# Altium PCB DIOT_SMA16.PcbDoc (part 3 of 6)
Units mm, origin at the board's own origin, x right, y up, seen from the top; angles counter-clockwise.
Board outline 222.37 x 100 mm, 6 copper layers (TopLayer, MidLayer1, MidLayer2, Layer 1, Layer 2, Bottom Layer), stack 1.556 mm thick; 440 components, 301 nets, 1807 pads, 862 vias.
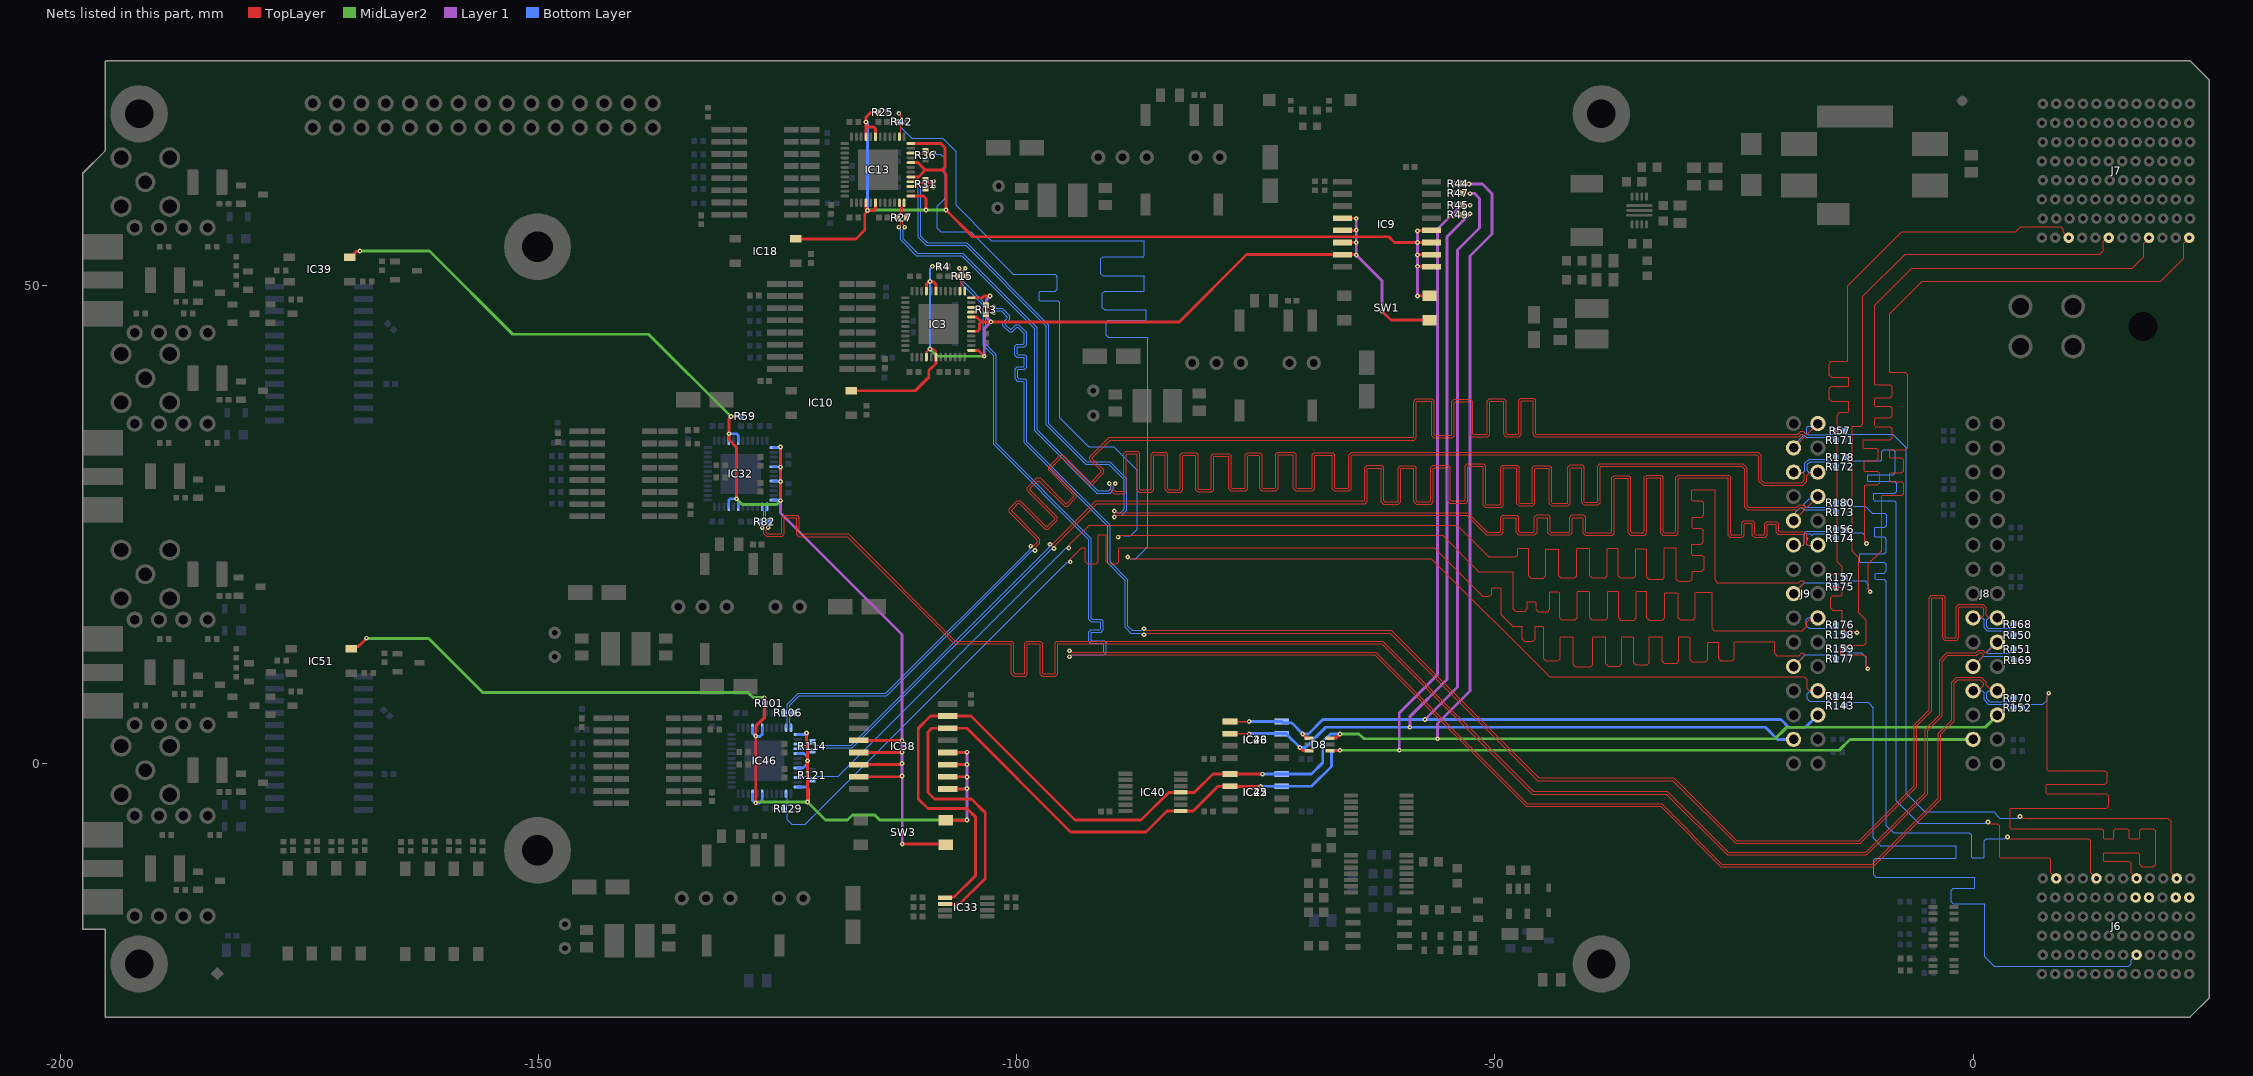
[diagram p7: the nets of this part, all layers, seen from the top]

## Via types
v1: diameter 0.5, hole 0.2, TopLayer to Bottom Layer, tented both sides, 762 vias
v2: diameter 0.8, hole 0.3, TopLayer to Bottom Layer, tented both sides, 100 vias

## Nets (pads, with @x,y where several pads share a name; then routed paths per layer and width w, separated by ;. In a path a pad name is that pad's centre, name@x,y a point inside that pad or via, vN(x,y) a via of type N, cw(c..) or ccw(c..) an arc to the next point about the centre after c; other vN are vias at no path point) (continued)
BP_IO.LVDS_P7: J6.E6 R152.1 | length 81.4
  TopLayer w0.12: v1(7.909,7.366) 7.909,7.28 7.735,7.106 7.735,-0.659 7.805,-0.729 13.788,-0.729 14.014,-0.955 14.014,-1.943 13.788,-2.168 7.715,-2.168 7.645,-2.238 7.645,-3.07 7.715,-3.14 13.944,-3.14 14.17,-3.365 14.17,-4.459 13.944,-4.685 3.941,-4.685 3.871,-4.755 3.871,-6.721 3.941,-6.791 13.453,-6.791 13.678,-7.017 13.678,-7.799 13.748,-7.869 14.636,-7.869 14.706,-7.799 14.706,-7.034 14.931,-6.809 16.126,-6.809 16.352,-7.034 16.352,-7.799 16.422,-7.869 17.344,-7.869 17.415,-7.799 17.415,-7.026 17.64,-6.8 18.852,-6.8 19.078,-7.026 19.078,-10.539 18.852,-10.765 17.661,-10.765 17.435,-10.539 17.435,-9.528 17.207,-9.3 13.715,-9.3 13.645,-9.37 13.645,-10.13 13.715,-10.201 16.303,-10.201 16.529,-10.426 16.529,-11.433 J6.E6@17.096,-12
  Bottom Layer w0.12: R152.1@5.165,5.842 5.395,6.072 5.395,6.147 5.465,6.217 7.302,6.217 7.732,6.647 7.732,7.106 7.909,7.283 v1(7.909,7.366)
BP_IO.LVDS_P8: J6.B6 R57.1 | length 78.6
  TopLayer w0.12: v1(4.916,-5.518) 4.999,-5.518 5.177,-5.696 20.337,-5.696 20.729,-6.087 20.729,-11.433 J6.B6@21.296,-12
  Bottom Layer w0.12: R57.1@-13.433,34.8 -13.203,34.57 -13.203,34.503 -13.133,34.432 -8.394,34.432 -7.01,33.049 -7.01,-3.09 -5.057,-5.043 2.144,-5.043 2.796,-5.696 4.656,-5.696 4.834,-5.518 v1(4.916,-5.518)
BP_IO.LVDS_P9: J6.K6 R178.1 | length 76
  TopLayer w0.12: v1(1.554,-6.109) 1.637,-6.109 1.815,-6.286 2.548,-6.286 2.773,-6.512 2.773,-9.798 2.843,-9.868 7.898,-9.868 8.129,-10.099 8.129,-11.433 J6.K6@8.696,-12
  Bottom Layer w0.12: R178.1@-13.433,32.05 -13.203,31.82 -13.203,31.753 -13.133,31.682 -9.637,31.682 -9.567,31.753 -9.567,32.593 -9.341,32.818 -8.34,32.818 -8.114,32.593 -8.114,30.452 -8.34,30.226 -10.942,30.226 -11.012,30.156 -11.012,29.576 -10.942,29.506 -8.188,29.506 -7.962,29.28 -7.962,28.502 -8.188,28.276 -10.325,28.276 -10.395,28.206 -10.395,27.569 -10.325,27.499 -8.263,27.499 -8.038,27.273 -8.038,-3.862 -5.668,-6.232 1.328,-6.232 1.452,-6.109 v1(1.554,-6.109)
BP_IO.LVDS_P10: J6.H6 R180.1 | length 77.2
  TopLayer w0.12: v1(3.598,-7.663) 3.68,-7.663 3.858,-7.841 12.103,-7.841 12.329,-8.066 12.329,-11.433 J6.H6@12.896,-12
  Bottom Layer w0.12: R180.1@-13.433,27.3 -13.203,27.07 -13.203,27.003 -13.133,26.932 -11.278,26.932 -10.546,26.2 -9.26,26.2 -9.034,25.974 -9.034,24.92 -9.26,24.695 -10.229,24.695 -10.299,24.624 -10.299,23.78 -10.229,23.709 -9.281,23.709 -9.056,23.484 -9.056,22.155 -9.281,21.93 -11.779,21.93 -11.85,21.859 -11.85,21.135 -11.779,21.065 -9.311,21.065 -9.085,20.839 -9.085,20.153 -9.311,19.927 -10.149,19.927 -10.219,19.857 -10.219,19.338 -10.149,19.268 -9.311,19.268 -9.085,19.042 -9.085,-6.481 -8.316,-7.25 -0.384,-7.25 -0.159,-7.476 -0.159,-9.786 -0.088,-9.857 1.094,-9.857 1.164,-9.786 1.164,-8.07 1.39,-7.844 3.333,-7.844 3.515,-7.663 v1(3.598,-7.663)
BP_IO.LVDS_P11: J7.D1 R156.1 | length 77.6
  TopLayer w0.12: v1(-11.139,23.012) -11.139,23.094 -11.316,23.272 -11.316,29.093 -11.246,29.163 -10.004,29.163 -9.779,29.389 -9.779,30.372 -10.004,30.598 -11.33,30.598 -11.4,30.668 -11.4,31.607 -11.33,31.677 -10.124,31.677 -9.899,31.903 -9.899,32.772 -10.124,32.997 -11.43,32.997 -11.5,33.068 -11.5,33.789 -11.43,33.86 -8.661,33.86 -8.435,34.085 -8.435,35.027 -8.661,35.252 -10.227,35.252 -10.297,35.323 -10.297,36.078 -10.227,36.148 -8.661,36.148 -8.435,36.374 -8.435,37.139 -8.661,37.365 -10.202,37.365 -10.273,37.435 -10.273,38.167 -10.202,38.238 -8.661,38.238 -8.435,38.463 -8.435,39.374 -8.661,39.599 -10.215,39.599 -10.285,39.67 -10.285,47.947 -6.43,51.803 16.638,51.803 17.829,52.993 17.829,54.436 18.393,55 J7.D1@18.396,55
  Bottom Layer w0.12: R156.1@-13.433,24.5 -13.203,24.27 -13.203,24.228 -13.133,24.157 -11.611,24.157 -11.325,23.871 -11.325,23.272 -11.139,23.086 v1(-11.139,23.012)
BP_IO.LVDS_P12: J7.A1 R157.1 | length 78.4
  TopLayer w0.12: v1(-10.759,17.975) -10.759,18.058 -10.936,18.235 -10.936,20.897 -9.563,22.271 -9.563,27.97 -9.492,28.04 -7.463,28.04 -7.238,28.266 -7.238,29.26 -7.463,29.485 -8.63,29.485 -8.7,29.556 -8.7,30.355 -8.63,30.425 -7.457,30.425 -7.231,30.651 -7.231,31.746 -7.457,31.971 -8.636,31.971 -8.706,32.041 -8.706,32.752 -8.636,32.822 -7.076,32.822 -6.85,33.048 -6.85,40.682 -7.076,40.907 -8.65,40.907 -8.72,40.978 -8.72,47.046 -5.334,50.432 19.623,50.432 22.029,52.838 22.029,54.432 J7.A1@22.596,55
  Bottom Layer w0.12: R157.1@-13.433,19.5 -13.203,19.27 -13.203,19.203 -13.133,19.132 -11.3,19.132 -10.936,18.768 -10.936,18.235 -10.759,18.058 v1(-10.759,17.975)
BP_IO.LVDS_P13: J7.J1 R158.1 | length 78.2
  TopLayer w0.12: -13.702,15.927 -13.81,16.035 -14.652,16.035 -14.878,16.261 -14.878,17.32 -14.652,17.546 -13.772,17.546 -13.702,17.616 -13.702,18.396 -13.772,18.467 -14.739,18.467 -14.965,18.692 -14.965,19.652 -14.739,19.878 -13.772,19.878 -13.702,19.948 -13.702,20.608 -14.228,21.134 -14.228,36.455 -13.919,36.765 -13.07,36.765 -13,36.835 -13,37.83 -13.07,37.9 -14.834,37.9 -15.06,38.126 -15.06,39.239 -14.834,39.465 -13.07,39.465 -13,39.535 -13,40.33 -13.07,40.4 -14.818,40.4 -15.044,40.626 -15.044,41.831 -14.818,42.057 -13.183,42.057 -13.113,42.127 -13.113,49.987 -7.475,55.625 4.451,55.625 4.988,56.163 9.152,56.163 9.429,55.886 9.429,55.567 J7.J1@9.996,55 ; -13.702,15.927 -13.702,14.283 -13.28,13.861 -12.41,13.861 -12.233,13.684 v1(-12.15,13.684)
  Bottom Layer w0.12: R158.1@-13.433,13.5 -13.203,13.73 -13.203,13.797 -13.133,13.867 -12.963,13.867 -12.957,13.861 -12.41,13.861 -12.233,13.684 v1(-12.15,13.684)
BP_IO.LVDS_P14: J7.G1 R159.1 | length 78.3
  TopLayer w0.12: v1(-11.007,9.925) -11.007,10.008 -11.184,10.185 -11.184,11.153 -11.41,11.378 -13.767,11.378 -13.837,11.449 -13.837,12.328 -13.767,12.398 -11.41,12.398 -11.184,12.624 -11.184,14.974 -11.972,15.762 -11.972,21.539 -12.66,22.227 -12.66,35.23 -12.59,35.3 -11.761,35.3 -11.535,35.526 -11.535,48.865 -7.115,53.285 13.267,53.285 13.629,53.646 13.629,54.604 14.025,55 J7.G1@14.196,55
  Bottom Layer w0.12: R159.1@-13.433,12 -13.203,11.77 -13.203,11.678 -13.133,11.608 -11.68,11.608 -11.184,11.112 -11.184,10.185 -11.007,10.008 v1(-11.007,9.925)
BP_IO.LVDS_P15: J6.E2 R143.1 | length 79.2
  Bottom Layer w0.12: R143.1@-13.433,6.05 -13.203,6.28 -13.203,6.347 -13.133,6.417 -10.979,6.417 -10.431,5.869 -10.431,-7.769 -9.635,-8.565 -1.835,-8.565 -1.765,-8.635 -1.765,-9.83 -1.835,-9.9 -10.174,-9.9 -10.4,-10.126 -10.4,-11.639 -10.174,-11.865 0.13,-11.865 0.2,-11.935 0.2,-12.965 0.13,-13.035 -2.074,-13.035 -2.3,-13.261 -2.3,-14.439 -2.074,-14.665 1.167,-14.665 1.238,-14.735 1.238,-16.12 1.235,-16.123 1.235,-20.21 2.195,-21.17 16.284,-21.17 16.529,-20.925 16.529,-20.568 J6.E2@17.096,-20
BP_MGT_Rx_N: J6.E5
BP_MGT_Rx_P: J6.D5
BP_MGT_Tx_N: J6.B5
BP_MGT_Tx_P: J6.A5
DIR_CTRL1: IC32.1 IC32.5 IC32.8 IC32.12 IC32.19 IC32.21 IC32.40 IC32.42 IC38.4 IC38.5 IC38.6 IC38.7 IC39.3 R59.1 SW3.1 | length 139.9
  TopLayer w0.3: IC39.3@-169.761,52.945 -169.561,52.945 -169.311,53.195 -169.311,53.324 -169.063,53.573 -168.727,53.573 v1(-168.7,53.6) ; v1(-129.9,36.3) -130.1,36.1 v1(-130.1,34.5) -130.1,33.89 -129.3,33.09 v1(-129.3,27.7) ; v1(-124.7,27.5) v1(-124.7,29.5) v1(-124.7,31) v1(-124.7,33.1) ; IC38.7@-116.523,-1.375 -112.129,-1.375 -112.054,-1.3 v1(-112,-1.3) ; IC38.6@-116.523,-0.105 -112.159,-0.105 -112.054,0 v1(-112,0) ; IC38.5@-116.523,1.165 -112.035,1.165 v1(-112,1.2) ; IC38.4@-116.523,2.435 -112.035,2.435 v1(-112,2.4) ; v1(-111.982,-8.418) -107.475,-8.418 SW3.1@-107.423,-8.47
  MidLayer2 w0.3: v1(-168.7,53.6) -161.4,53.6 -152.7,44.9 -138.5,44.9 v1(-129.9,36.3) ; v1(-129.3,27.7) -128.7,27.1 -125.1,27.1 v1(-124.7,27.5)
  Layer 1 w0.3: v1(-124.7,27.5) -124.7,26.2 -112,13.5 v1(-112,2.4) v1(-112,1.2) v1(-112,0) v1(-112,-1.3) -111.982,-1.318 v1(-111.982,-8.418)
  Bottom Layer w0.3: IC32.21@-130.123,26.85 -130.123,27.524 -129.947,27.7 v1(-129.3,27.7) -129.3,27.646 -129.123,27.469 IC32.19@-129.123,26.85 ; IC32.40@-130.123,33.75 -130.123,34.477 v1(-130.1,34.5) -129.299,34.5 -129.123,34.324 IC32.42@-129.123,33.75 ; v1(-129.9,36.3) R59.1@-128.843,36.3 ; IC32.12@-125.423,27.55 -124.804,27.55 -124.754,27.5 v1(-124.7,27.5) ; IC32.8@-125.423,29.55 -124.804,29.55 -124.754,29.5 v1(-124.7,29.5) ; IC32.5@-125.423,31.05 -124.75,31.05 v1(-124.7,31) ; IC32.1@-125.423,33.05 -124.75,33.05 v1(-124.7,33.1)
DIR_CTRL2: IC38.9 IC38.10 IC38.11 IC38.12 IC46.1 IC46.5 IC46.8 IC46.12 IC46.19 IC46.21 IC46.40 IC46.42 IC51.3 R101.1 SW3.2 | length 118.2
  TopLayer w0.3: IC51.3@-169.58,11.995 -169.33,12.245 -168.855,12.245 -168,13.1 v1(-168,13.12) ; v1(-127.3,-4.1) v1(-127.3,2.9) -127.3,3.9 -126.4,4.8 v1(-126.4,6.9) ; v1(-122,3.2) -122,2.3 -121.9,2.2 v1(-121.9,0.3) v1(-121.9,-4) ; SW3.2@-107.423,-5.93 -105.23,-5.93 v1(-105.2,-5.9) ; IC38.9@-107.223,-2.645 -105.299,-2.645 -105.254,-2.6 v1(-105.2,-2.6) ; IC38.10@-107.223,-1.375 -105.225,-1.375 v1(-105.2,-1.4) ; IC38.11@-107.223,-0.105 -105.205,-0.105 v1(-105.2,-0.1) ; IC38.12@-107.223,1.165 -105.235,1.165 v1(-105.2,1.2)
  MidLayer2 w0.3: v1(-168,13.12) -167.98,13.1 -161.5,13.1 -155.82,7.42 -128.085,7.42 -127.565,6.9 v1(-126.4,6.9) ; v1(-127.3,-4.1) -127.246,-4.1 -127.146,-4 v1(-121.9,-4) -120,-5.9 -117.689,-5.9 -117.169,-5.38 -114.857,-5.38 -114.337,-5.9 v1(-105.2,-5.9)
  Layer 1 w0.3: v1(-122,3.2) -122,3.146 v1@-121.9,3.046 ; v1(-105.2,-5.9) v1(-105.2,-2.6) v1(-105.2,-1.4) v1(-105.2,-0.1) v1(-105.2,1.2)
  Bottom Layer w0.3: IC46.21@-127.623,-3.15 -127.623,-3.824 -127.347,-4.1 v1(-127.3,-4.1) -126.899,-4.1 -126.623,-3.824 IC46.19@-126.623,-3.15 ; IC46.40@-127.623,3.75 -127.623,3.176 -127.347,2.9 v1(-127.3,2.9) -127.246,2.9 -127.19,2.844 -126.854,2.844 -126.623,3.076 IC46.42@-126.623,3.75 ; v1(-126.4,6.9) -126.386,6.886 -126.386,6.314 R101.1@-126.373,6.3 ; IC46.12@-122.923,-2.45 -122.026,-2.45 -121.8,-2.676 -121.8,-3.846 -121.9,-3.946 v1(-121.9,-4) ; IC46.8@-122.923,-0.45 -122.35,-0.45 -121.938,-0.038 -121.938,0.262 v1(-121.9,0.3) -121.895,0.305 -121.895,0.695 -122.25,1.05 IC46.5@-122.923,1.05 ; IC46.1@-122.923,3.05 -122.204,3.05 -122.054,3.2 v1(-122,3.2)
DIR_CTRL3: IC3.1 IC3.5 IC3.8 IC3.12 IC3.19 IC3.21 IC3.40 IC3.42 IC9.4 IC9.5 IC9.6 IC9.7 IC10.3 R4.1 SW1.1 | length 107.9
  TopLayer w0.12: v1(-108.8,52) -108.202,52 R4.1@-108.169,51.967
  TopLayer w0.2: IC3.40@-109.449,42.517 -109.439,42.527 -109.439,43.067 -109.156,43.349 v1(-109.089,43.349) -108.649,43.349 -108.449,43.149 IC3.42@-108.449,42.517
  TopLayer w0.3: IC10.3@-117.299,38.987 -110.613,38.987 -109.2,40.4 -109.2,41.1 -108.449,41.851 IC3.42@-108.449,42.517 ; IC3.21@-109.449,49.417 -109.449,50.15 -109.211,50.387 -109.113,50.387 v1(-109.075,50.425) -109.042,50.393 -108.717,50.393 -108.449,50.124 IC3.19@-108.449,49.417 ; IC3.1@-104.749,43.217 -104.017,43.217 v1(-103.4,42.6) ; IC3.5@-104.749,45.217 -104.076,45.217 -103.9,45.392 -103.9,46 -103.7,46.2 ; IC3.8@-104.749,46.717 -104.217,46.717 -103.7,46.2 ; IC3.12@-104.749,48.717 -103.617,48.717 -103.433,48.9 v1(-102.8,48.9) ; IC9.6@-65.95,54.495 -65.945,54.5 v1(-64.5,54.5) ; IC9.5@-65.95,55.765 -64.535,55.765 v1(-64.5,55.8) ; IC9.4@-65.95,57.035 -64.535,57.035 v1(-64.5,57) ; v1(-64.5,53.2) -64.525,53.225 IC9.7@-65.95,53.225 -75.975,53.225 -83,46.2 v1(-102.7,46.2) -103.7,46.2 ; v1(-61.8,47.3) -60.88,46.38 SW1.1@-56.85,46.38
  MidLayer2 w0.3: v1(-109.089,43.349) -108.339,42.6 v1(-103.4,42.6)
  Layer 1 w0.3: v1(-103.4,42.6) -103.4,45.5 v1(-102.7,46.2) -103.2,46.7 -103.2,48.5 v1(-102.8,48.9) ; v1(-64.5,57) v1(-64.5,55.8) v1(-64.5,54.5) v1(-64.5,53.2) -61.8,50.5 v1(-61.8,47.3)
  Bottom Layer w0.2: v1(-109.089,43.349) -109.089,50.411 v1(-109.075,50.425) -109.075,51.725 v1(-108.8,52)
DIR_CTRL4: IC9.9 IC9.10 IC9.11 IC9.12 IC13.1 IC13.5 IC13.8 IC13.12 IC13.19 IC13.21 IC13.40 IC13.42 IC18.3 R25.1 SW1.2 | length 118.3
  TopLayer w0.3: IC18.3@-123.126,54.87 -116.83,54.87 -115.9,55.8 -115.9,57.49 -115.756,57.635 ; IC13.40@-115.776,58.65 -115.776,58.026 v1(-115.6,57.85) -114.951,57.85 -114.776,58.026 IC13.42@-114.776,58.65 ; IC13.21@-115.776,65.55 -115.776,66.575 ; IC13.19@-114.776,65.55 -114.776,66.399 -114.951,66.575 -115.776,66.575 ; R25.1@-114.496,68.1 -115.276,68.1 -115.776,67.6 v1(-115.776,67.087) -115.776,66.575 ; IC13.1@-111.076,59.35 -109.75,59.35 -109.5,59.1 v1(-109.5,57.9) ; IC13.5@-111.076,61.35 -110.293,61.35 -109.574,62.069 ; IC13.8@-111.076,62.85 -110.355,62.85 -109.574,62.069 ; IC13.12@-111.076,64.85 -107.95,64.85 -107.5,64.4 -107.5,62.4 -107.831,62.069 ; v1(-58.1,48.9) -58.08,48.92 SW1.2@-56.85,48.92 ; v1(-58.1,52) -56.695,52 IC9.9@-56.65,51.955 ; v1(-58.1,53.2) -58.075,53.225 IC9.10@-56.65,53.225 ; v1(-58.1,55.7) -58.035,55.765 IC9.12@-56.65,55.765 ; IC9.11@-56.65,54.495 -58.095,54.495 v1(-58.1,54.5) -60.5,54.5 -61.1,55.1 -104.6,55.1 v1(-107.4,57.9) -107.4,61.637 -107.831,62.069 ; -109.574,62.069 -107.831,62.069
  MidLayer2 w0.3: v1(-115.6,57.85) -115.546,57.85 -115.496,57.9 v1(-109.5,57.9) v1(-107.4,57.9)
  Layer 1 w0.3: v1(-58.1,48.9) v1(-58.1,52) v1(-58.1,53.2) v1(-58.1,54.5) v1(-58.1,55.7)
  Bottom Layer w0.3: v1(-115.776,67.087) -115.6,66.912 v1(-115.6,57.85)
EEM0_I2C.SCL: D8.1 IC25.6 IC33.2 IC38.14 IC40.1 IC42.6 J8.27 R45.1 | length 206.6
  TopLayer w0.15: R45.1@-53.36,58.4 v1(-52.6,58.4)
  TopLayer w0.3: IC33.2@-107.5,-14.675 -105.975,-14.675 -103.301,-12.001 -103.301,-5.139 -104.73,-3.71 -108.601,-3.71 -109.3,-3.011 -109.3,3.3 -108.895,3.705 IC38.14@-107.223,3.705 -105.222,3.705 -94.38,-7.137 -86.472,-7.137 -84.284,-4.95 IC40.1@-82.85,-4.95 -81.55,-4.95 -78.965,-2.365 IC42.6@-77.7,-2.365 -77.665,-2.4 v1(-74.5,-2.4) ; D8.1@-67.25,1.35 -66.25,1.35 v1(-66.2,1.4)
  MidLayer2 w0.3: v1(-66.2,1.4) -14,1.4 -12.86,2.54 J8.27@0,2.54
  Layer 1 w0.3: v1(-60,1.4) -60,5.3 -56,9.3 -56,55.9 -53.5,58.4 v1(-52.6,58.4)
  Bottom Layer w0.3: v1(-74.5,-2.4) -74.465,-2.365 IC25.6@-72.3,-2.365 -69.165,-2.365 -67.1,-0.3 -67.1,1.1 -66.8,1.4 v1(-66.2,1.4)
EEM0_I2C.SDA: D8.3 IC25.5 IC33.1 IC38.15 IC40.4 IC42.5 J8.26 R44.1 | length 212.7
  TopLayer w0.15: R44.1@-53.36,60.65 -53.31,60.6 v1(-52.7,60.6)
  TopLayer w0.3: IC33.1@-107.5,-14.025 -107.432,-13.957 -106.557,-13.957 -104.3,-11.7 -104.3,-5.6 -105.2,-4.7 -109.3,-4.7 -110.3,-3.7 -110.3,3.7 -109.025,4.975 IC38.15@-107.223,4.975 -104.775,4.975 -93.9,-5.9 -87,-5.9 -84.1,-3 IC40.4@-82.85,-3 -81.4,-3 -79.495,-1.095 IC42.5@-77.7,-1.095 ; IC42.5@-77.695,-1.1 v1(-74.3,-1.1) ; D8.3@-67.25,2.65 -67.238,2.662 -66.638,2.662 v1(-66.2,3.1)
  MidLayer2 w0.3: v1(-66.2,3.1) -64.2,3.1 -63.7,2.6 -20.7,2.6 -19.493,3.807 1.267,3.807 J8.26@2.54,5.08
  Layer 1 w0.3: v1(-56,2.6) -56,4.2 -52.6,7.6 -52.6,53.1 -50.3,55.4 -50.3,59.6 -51.3,60.6 v1(-52.7,60.6)
  Bottom Layer w0.3: v1(-74.3,-1.1) -74.295,-1.095 -69.195,-1.095 -68,0.1 -68,2.3 -67.2,3.1 v1(-66.2,3.1)
EEM1_I2C.SCL: D8.6 IC26.6 IC43.6 J9.27 R49.1 | length 119.2
  TopLayer w0.15: IC43.6@-77.7,3.135 -75.735,3.135 v1(-75.7,3.1) ; R49.1@-53.36,57.4 -52.688,57.4 -52.6,57.488 v1(-52.6,57.5)
  TopLayer w0.3: v1(-70.4,1.7) -70.4,1.663 -70.124,1.387 -69.487,1.387 D8.6@-69.45,1.35
  Layer 1 w0.3: v1(-58.9,3.8) -58.9,4.9 -55,8.8 -55,55.1 v1(-52.6,57.5)
  Bottom Layer w0.3: v1(-75.7,3.1) -75.665,3.135 -71.825,3.135 -71.675,2.985 -71.675,2.975 v1(-70.4,1.7) -69.8,1.7 -67.7,3.8 -21.7,3.8 -20.439,2.539 J9.27@-18.77,2.539
EEM1_I2C.SDA: D8.4 IC26.5 IC43.5 J9.26 R47.1 | length 123.2
  TopLayer w0.15: IC43.5@-77.7,4.405 -77.695,4.4 v1(-75.7,4.4) ; R47.1@-53.36,59.65 -52.65,59.65 v1(-52.6,59.6)
  TopLayer w0.3: v1(-70.1,3.1) -69.775,2.775 -69.775,2.7 -69.725,2.65 D8.4@-69.45,2.65
  Layer 1 w0.3: v1(-57.3,4.6) -53.9,8 -53.9,53.7 -51.6,56 -51.6,59.1 -52.1,59.6 v1(-52.6,59.6)
  Bottom Layer w0.3: v1(-75.7,4.4) -75.695,4.405 IC26.5@-72.3,4.405 -72.174,4.279 -71.314,4.279 -71.215,4.18 -71.18,4.18 v1(-70.1,3.1) -69.5,3.1 -68,4.6 -20.1,4.6 -19.3,3.8 -17.509,3.8 J9.26@-16.23,5.079
EEM_IO.LVDS_N5: IC3.10 J8.18 R13.2 R168.2 | length 182.6
  TopLayer w0.085: IC3.10@-104.749,47.717 -104.435,47.717 -104.291,47.573 -103.516,47.573 -103.466,47.623 -103.466,47.689 -103.219,47.937 R13.2@-103.199,47.937 -103.179,47.937 -102.931,47.689 -102.931,47.623 -102.881,47.573 -102.6,47.573 -102.4,47.773 v1(-102.4,47.777)
  TopLayer w0.12: v1(-86.7,14.1) -86.617,14.1 -86.44,13.922 -60.848,13.922 -45.425,-1.5 -31.301,-1.5 -24.728,-8.072 -11.916,-8.072 -6.162,-2.319 -6.162,4.062 -4.587,5.637 -4.587,17.374 -4.362,17.599 -3.145,17.599 -2.919,17.374 -2.919,13.228 -2.849,13.157 -1.835,13.157 -1.765,13.228 -1.765,16.395 -1.498,16.662 1.01,16.662 1.376,16.296 1.376,15.536 1.538,15.373 2.407,15.373 J8.18@2.54,15.24
  Bottom Layer w0.12: v1(-102.4,47.777) -102.317,47.777 -102.14,47.599 -101.499,47.599 -100.71,46.81 -100.71,46.491 -100.961,46.241 -101.193,46.008 -101.193,45.909 -100.688,45.403 -100.589,45.403 -100.105,45.886 -99.786,45.886 -98.965,45.065 -98.965,43.826 -99.191,43.6 -99.874,43.6 -99.944,43.53 -99.944,42.837 -99.874,42.767 -99.188,42.767 -98.963,42.541 -98.963,41.464 -99.188,41.239 -99.842,41.239 -99.913,41.169 -99.913,40.344 -99.834,40.265 -99.191,40.265 -98.965,40.039 -98.965,33.665 -90.235,24.935 -90.235,21.097 -88.385,19.248 -88.385,14.36 -87.948,13.922 -86.96,13.922 -86.783,14.1 v1(-86.7,14.1) ; 1.428,15.039 1.428,14.297 1.582,14.142 3.925,14.142 3.995,14.213 3.995,14.37 R168.2@4.225,14.6 ; 1.429,15.039 1.63,15.24 J8.18@2.54,15.24
EEM_IO.LVDS_N6: IC32.14 J8.21 R82.2 R169.2 | length 183.7
  TopLayer w0.12: v1(-126.616,24.7) -126.616,24.597 -126.596,24.597 -126.439,24.44 -126.439,24.031 -126.162,23.755 -124.526,23.755 -124.3,23.98 -124.3,25.625 -124.23,25.696 -123.087,25.696 -123.017,25.625 -123.017,23.973 -122.791,23.747 -117.755,23.747 -106.542,12.535 -100.652,12.535 -100.565,12.448 -100.565,9.39 -100.31,9.135 -99.134,9.135 -98.908,9.361 -98.908,12.465 -98.838,12.535 -97.68,12.535 -97.565,12.42 -97.565,9.348 -97.339,9.122 -95.978,9.122 -95.714,9.386 -95.714,12.535 -61.835,12.535 -46.122,-3.178 -32.073,-3.178 -25.713,-9.537 -11.126,-9.537 -4.747,-3.159 -4.747,3.503 -3.222,5.028 -3.222,10.725 -2.635,11.313 0.395,11.313 0.547,11.465 0.682,11.6 0.876,11.6 1.062,11.413 1.062,11.222 J8.21@0,10.16
  Bottom Layer w0.085: IC32.14@-126.623,26.85 -126.623,26.536 -126.479,26.393 -126.479,25.617 -126.529,25.567 -126.596,25.567 -126.843,25.32 R82.2@-126.843,25.3 -126.616,25.073 v1(-126.616,24.7)
  Bottom Layer w0.12: J8.21@0,10.16 1.07,11.23 3.84,11.23 4.25,10.82 R169.2@4.25,10.8
EEM_IO.LVDS_N7: IC3.14 J8.24 R15.2 R170.2 | length 182.3
  TopLayer w0.085: v1(-106.009,51.8) -106.005,51.8 -105.805,51.6 -105.805,51.284 -105.855,51.234 -105.921,51.234 -106.169,50.987 R15.2@-106.169,50.967 -106.169,50.947 -105.921,50.699 -105.855,50.699 -105.805,50.649 -105.805,49.874 -105.949,49.73 IC3.14@-105.949,49.417
  TopLayer w0.12: v1(-94.5,11.804) -94.417,11.804 -94.24,11.626 -62.451,11.626 -58.849,8.024 -46.613,-4.213 -32.563,-4.213 -26.278,-10.497 -10.538,-10.497 -3.637,-3.597 -3.637,3.162 -2.237,4.562 -2.237,8.535 -1.732,9.04 0.866,9.04 1.376,8.529 1.376,8.204 1.677,7.903 2.257,7.903 J8.24@2.54,7.62
  Bottom Layer w0.12: v1(-106.009,51.8) -106.009,51.717 -105.831,51.54 -105.831,50.256 -103.5,47.925 -103.5,43.725 -102.412,42.638 -102.412,33.38 -92.453,23.42 -92.453,15.083 -92.227,14.858 -91.271,14.858 -91.201,14.788 -91.201,14.089 -91.271,14.019 -92.25,14.019 -92.475,13.793 -92.475,12.803 -92.25,12.578 -90.97,12.578 -90.9,12.507 -90.9,11.7 -90.974,11.626 -94.24,11.626 -94.417,11.804 v1(-94.5,11.804) ; J8.24@2.54,7.62 1.643,7.62 1.429,7.405 1.429,6.774 1.72,6.482 3.925,6.482 3.995,6.553 3.995,6.628 R170.2@4.225,6.858
EEM_IO.LVDS_N8: IC46.48 J9.3 R106.2 R171.2 | length 183.8
  TopLayer w0.12: v1(-98.1,22.3) -98.041,22.359 -98.041,22.61 -97.607,23.044 -97.607,23.482 -100.543,26.418 -100.543,26.517 -99.83,27.231 -99.731,27.231 -97.009,24.509 -96.69,24.509 -95.759,25.44 -95.759,25.759 -98.641,28.641 -98.641,28.74 -97.778,29.603 -97.678,29.603 -94.997,26.922 -94.678,26.922 -93.76,27.841 -93.76,28.16 -96.418,30.818 -96.418,30.918 -95.355,31.981 -95.256,31.981 -92.446,29.171 -92.127,29.171 -90.903,30.396 -90.903,30.715 -92.086,31.897 -92.086,31.997 -90.244,33.839 -58.461,33.839 -58.235,34.064 -58.235,37.81 -58.165,37.88 -56.67,37.88 -56.6,37.81 -56.6,34.293 -56.374,34.068 -54.461,34.068 -54.235,34.293 -54.235,37.778 -54.165,37.848 -52.679,37.848 -52.608,37.778 -52.608,34.4 -52.383,34.175 -50.761,34.175 -50.535,34.4 -50.535,37.831 -50.465,37.901 -49.17,37.901 -49.1,37.831 -49.1,34.421 -48.874,34.196 -47.461,34.196 -47.235,34.421 -47.235,37.878 -47.165,37.948 -46.063,37.948 -45.992,37.878 -45.992,34.403 -45.767,34.178 -18.22,34.178 -17.948,34.45 -17.848,34.45 -17.643,34.245 -17.643,34.146 J9.3@-18.77,33.019